# Altium PCB FMC_radio_holeRef.PcbDoc (part 1 of 2)
Units mm, origin at the board's own origin, x right, y up, seen from the top; angles counter-clockwise.
Board outline 139.31 x 69.3 mm, 4 copper layers (Top Layer, SIG, GND, Bottom Layer), stack 1.372 mm thick; 109 components, 95 nets, 451 pads, 661 vias.
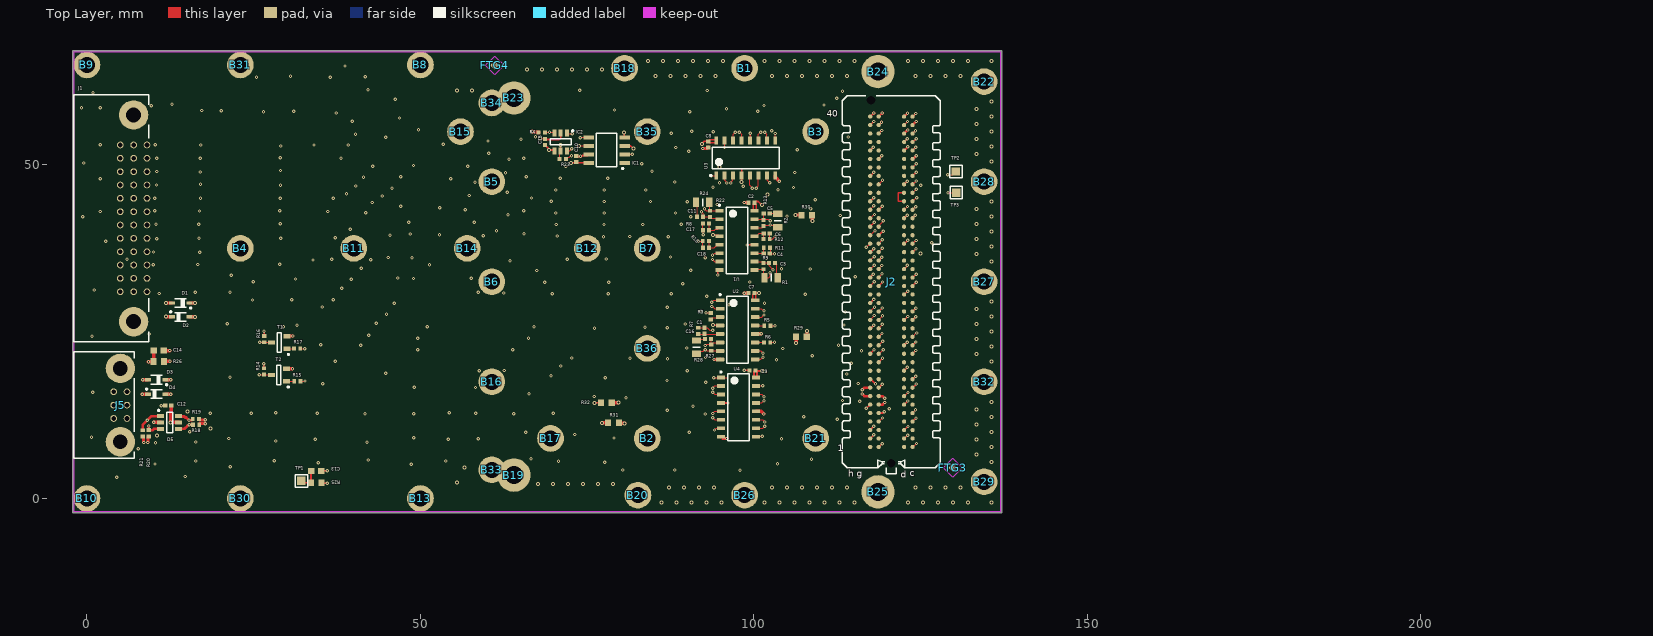
[diagram p0: Top Layer view]
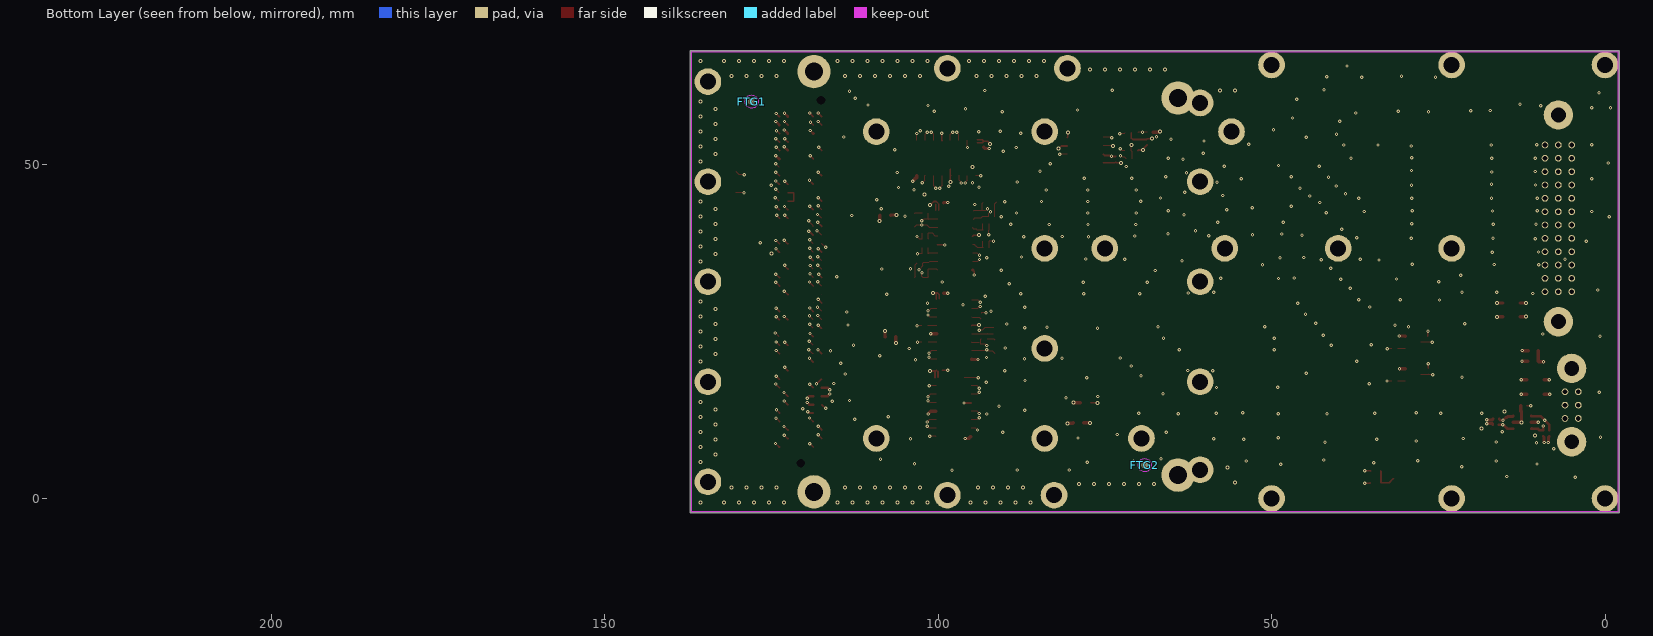
[diagram p1: Bottom Layer view, seen from below]
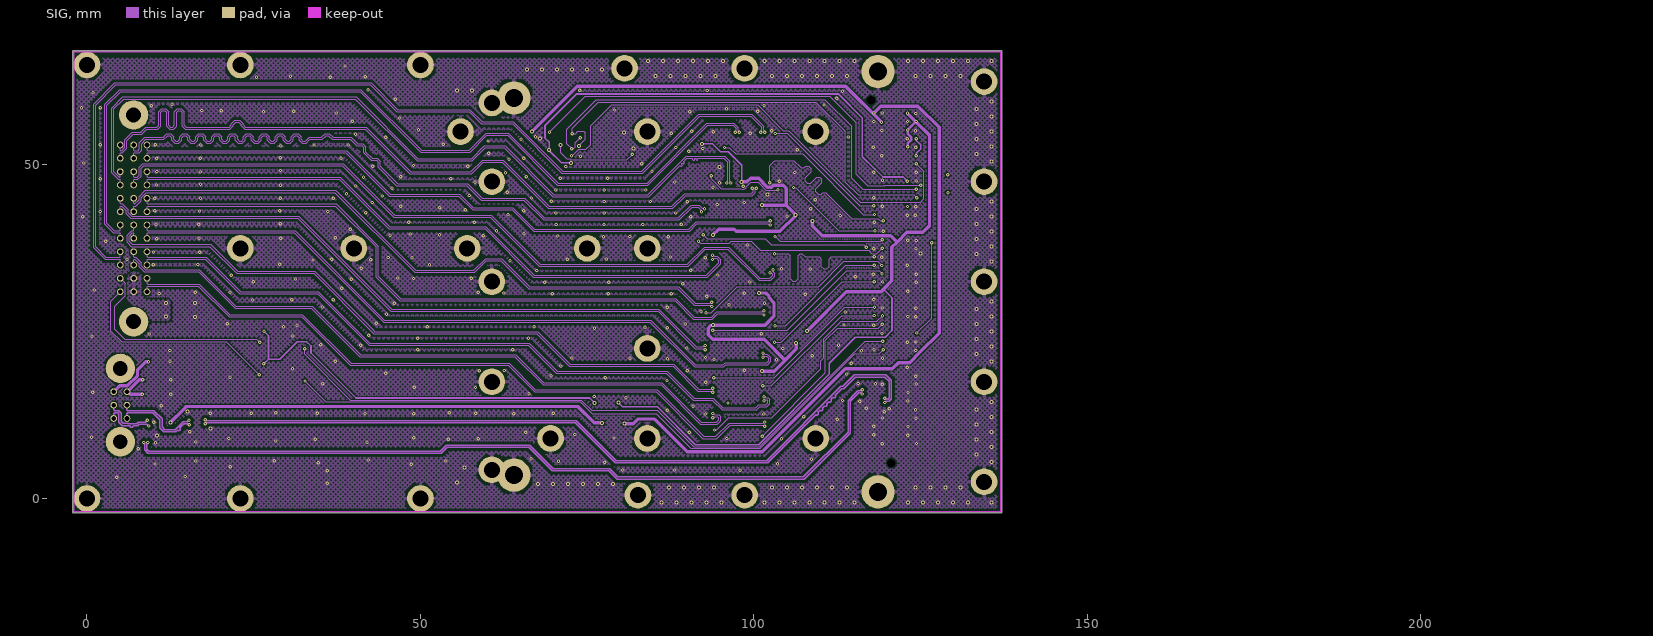
[diagram p2: SIG]
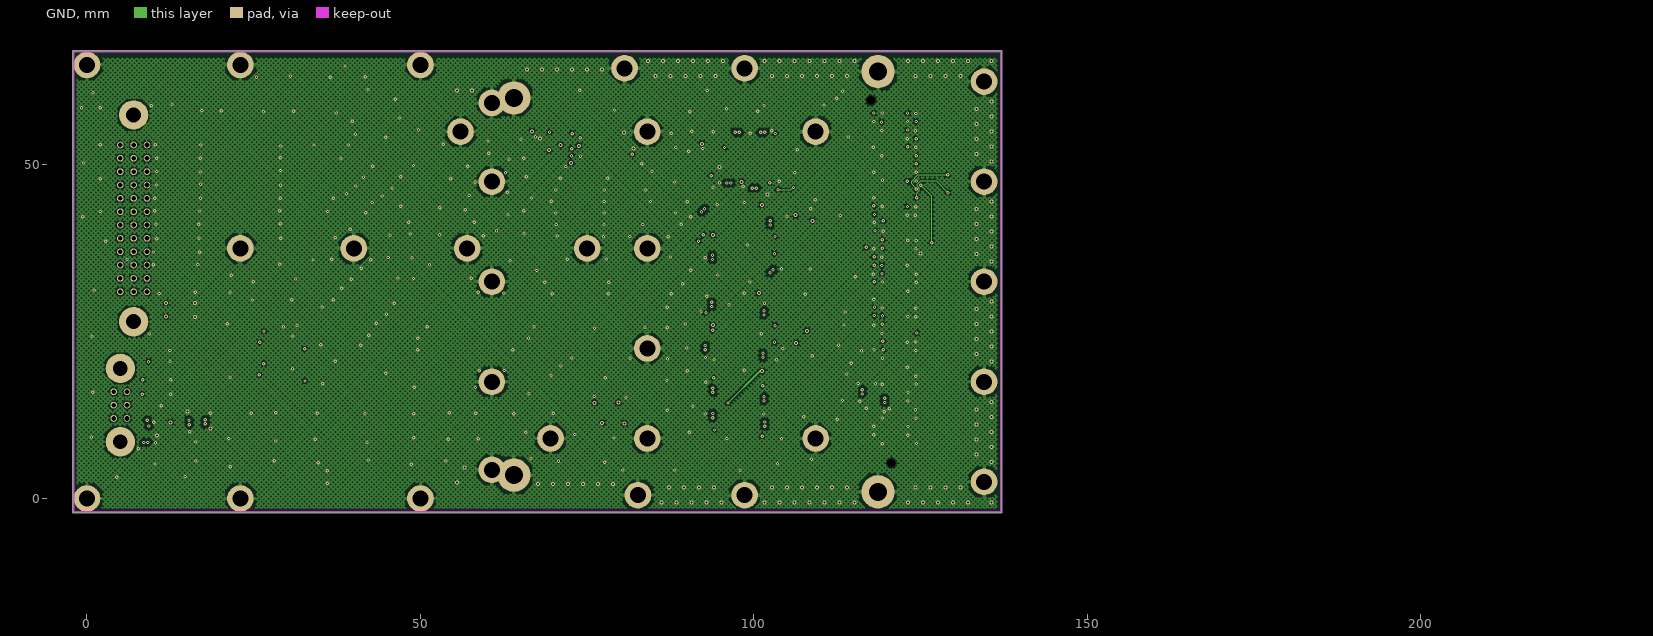
[diagram p3: GND]
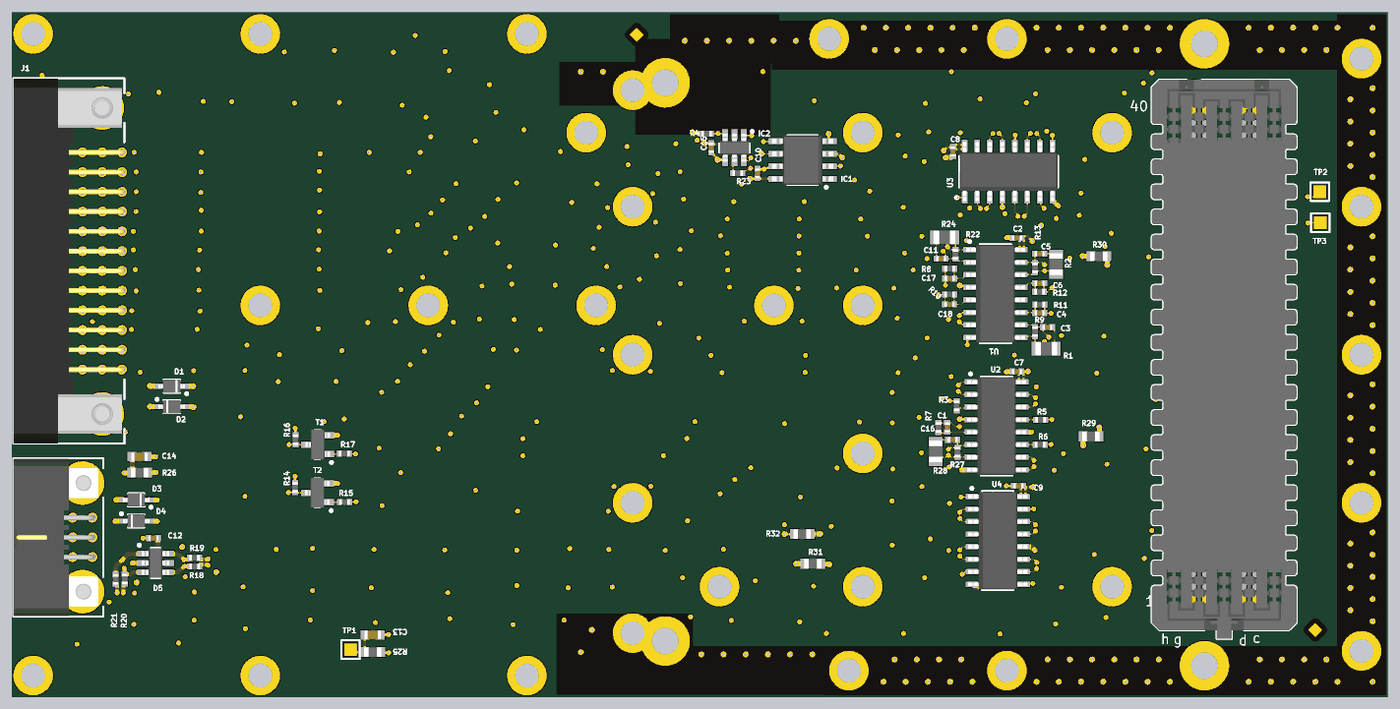
[diagram p5: 3D render of the assembled board from above, using the file's embedded part models]

## Layer stack, top to bottom
Top Layer: signal copper 0.053
Dielectric 2: prepreg 0.36, PP-017, Dk 4.3
SIG: signal copper 0.018
Dielectric 3: core 0.51, Core-039, Dk 4.8
GND: signal copper 0.018
Dielectric 4: prepreg 0.36, PP-017, Dk 4.3
Bottom Layer: signal copper 0.053

## Board outline
-2.007,-2.15 cw(c-2.007,-2) -2.157,-2 -2.157,67 cw(c-2.007,67) -2.007,67.15 137,67.15 cw(c137,67) 137.15,67 137.15,-2 cw(c137,-2) 137,-2.15 80.1,-2.15 cw(c80.1,-2) 80.099,-2.15 80.1,-2.15 ccw(c80.1,-2) 80.1,-2.15

## Design rules (kind name [scope] priority, off if disabled: settings)
AcuteAngle [All] p1: minimum=6.00000000000000E+0001 checktracksonly=TRUE
BoardOutlineClearance [All] p1: gap=0.254 ignorepadtopadclearanceinfootprint=FALSE except(0: Arc-SplitContinuation Track-SplitContinuation SMDPad-SplitContinuation THPad-SplitContinuation Via-SplitContinuation Fill-SplitContinuation Poly-SplitContinuation Region-SplitContinuation Text-SplitContinuation)
Clearance Clearance_1 [InNet('GND') vs (InDifferentialPairClass('All Differential Pairs'))] p1: gap=0.381 ignorepadtopadclearanceinfootprint=TRUE except(0: Arc-Hole Track-Hole SMDPad-Hole THPad-Hole Via-Hole Fill-Hole Poly-Hole Region-Hole Text-Hole; 0.127: Arc-THPad Track-THPad THPad-THPad THPad-Via THPad-Fill THPad-Poly THPad-Region THPad-Text)
Clearance [All] p2: gap=0.127 ignorepadtopadclearanceinfootprint=FALSE except(0: Arc-Hole Track-Hole SMDPad-Hole THPad-Hole Via-Hole Fill-Hole Poly-Hole Region-Hole Text-Hole)
ComponentClearance [All] p1: gap=0 collisioncheckmode=3 verticalgap=0 showdistances=FALSE
DiffPairsRouting DiffPairsRouting_100 [InNetClass('Diff_100')] p1: maxlimit=0.127 minlimit=0.127 mostfreqgap=0.127 toplayer_minwidth=0.224 toplayer_maxwidth=0.4 toplayer_prefwidth=0.4 midlayer1_minwidth=0.2 midlayer1_maxwidth=0.2 midlayer1_prefwidth=0.2 midlayer2_minwidth=0.2 midlayer2_maxwidth=0.2 midlayer2_prefwidth=0.2 bottomlayer_minwidth=0.224 bottomlayer_maxwidth=0.4 bottomlayer_prefwidth=0.4 impedanceprofiledriven=TRUE impedanceprofileid={14BC8198-C207-4630-8843-F024CF655775} maxuncoupledlength=12.7
DiffPairsRouting [InNetClass('Diff')] p2: maxlimit=0.178 minlimit=0.152 mostfreqgap=0.178 toplayer_prefgap=0.152 toplayer_minwidth=0.127 toplayer_maxwidth=0.127 toplayer_prefwidth=0.127 midlayer1_minwidth=0.127 midlayer1_maxwidth=0.127 midlayer1_prefwidth=0.127 midlayer2_minwidth=0.127 midlayer2_maxwidth=0.127 midlayer2_prefwidth=0.127 bottomlayer_prefgap=0.152 bottomlayer_minwidth=0.127 bottomlayer_maxwidth=0.127 bottomlayer_prefwidth=0.127 impedanceprofiledriven=TRUE impedanceprofileid={CD77EB87-C207-4B4C-A7F3-79326ECD8A85} maxuncoupledlength=12.7
HoleSize [All] p1: absolutevalues=TRUE maxlimit=5 minlimit=0.025 maxpercent=80.000 minpercent=20.000
HoleToHoleClearance [All] p1: gap=0.025 allowstackedmicrovias=TRUE
MinimumAnnularRing [All] p1: minimumring=0.15
MinimumSolderMaskSliver [All] p1: minsoldermaskwidth=0.025
PlaneConnect [All] p1: pad.planeconnectstyle=Relief pad.reliefexpansion=0.508 pad.reliefentries=4 pad.reliefconductorwidth=0.508 pad.reliefairgap=0.254 via.planeconnectstyle=Direct via.reliefexpansion=0.508 via.reliefentries=4 via.reliefconductorwidth=0.254 via.reliefairgap=0.254
PolygonConnect [All] p1: thpad.connectstyle=Relief thpad.reliefconductorwidth=0.508 thpad.reliefentries=4 thpad.polygonreliefangle="90 Angle" thpad.airgapwidth=0.254 smdpad.connectstyle=Relief smdpad.reliefconductorwidth=0.254 smdpad.reliefentries=4 smdpad.polygonreliefangle="90 Angle" smdpad.airgapwidth=0.254 via.connectstyle=Direct via.reliefconductorwidth=0.254 via.reliefentries=4 via.polygonreliefangle="90 Angle" via.airgapwidth=0.254
RoomDefinition U_fmc_connector [InComponentClass('U_fmc_connector')] p1: confinementstyle=ConfineIn formatcopy=TRUE lockcomponents=FALSE outline 10.601,-44.4 100.411,-44.4 100.411,51.168 10.601,51.168
RoomDefinition U_Con_M83_M80 [InComponentClass('U_Con_M83_M80')] p2: confinementstyle=ConfineIn formatcopy=TRUE lockcomponents=FALSE outline -14.8,-69.8 36,-69.8 36,-44.4 -14.8,-44.4
RoomDefinition FMC_radio_TOP [InComponentClass('FMC_radio_TOP')] p3: confinementstyle=ConfineIn formatcopy=TRUE lockcomponents=FALSE outline -14.8,-69.8 36,-69.8 36,-44.4 -14.8,-44.4
RoomDefinition U_ipmi [InComponentClass('U_ipmi')] p4: confinementstyle=ConfineIn formatcopy=TRUE lockcomponents=FALSE outline 101.938,-23.14 490.025,-23.14 490.025,-7.697 101.938,-7.697
RoomDefinition U_Buff [InComponentClass('U_Buff')] p5: confinementstyle=ConfineIn formatcopy=TRUE lockcomponents=FALSE outline 101.938,-42.978 202.141,-42.978 202.141,-29.516 101.938,-29.516
RoutingVias [All] p1: holewidth=0.2 width=0.5 viastyle="Through Hole" minholewidth=0.2 minwidth=0.5 maxholewidth=5 maxwidth=10
SilkToSilkClearance [All] p1: silktosilkclearance=0.025
SilkToSolderMaskClearance [IsPad] p1: minsilkscreentomaskgap=0.025 clearancetoexposedcopper=TRUE
SolderMaskExpansion [All] p1: expansion=0.102
Width [All] p1: maxlimit=2.54 minlimit=0.127 preferedwidth=0.127
22 further rules are at their usual default settings.

## Classes and differential pairs
net class Diff_100: EWC27_CLK_C_TX_N EWC27_CLK_C_TX_P EWC27_CLK_N EWC27_CLK_P EWC27_DATA_C_TX_N EWC27_DATA_C_TX_P EWC27_DATA_TX_N EWC27_DATA_TX_P
net class Diff: CON_M83.EWC27_CMD_RX_N CON_M83.EWC27_CMD_RX_P CON_M83.EWC27_CMD_TX_N CON_M83.EWC27_CMD_TX_P CON_M83.EWC27_FAULT_N CON_M83.EWC27_FAULT_P CON_M83.EWC27_OFF_VCC_N CON_M83.EWC27_OFF_VCC_P CON_M83.EWC27_RST_N CON_M83.EWC27_RST_P CON_M83.EWC31_CLK_RX_N CON_M83.EWC31_CLK_RX_P CON_M83.EWC31_CLK_TX_N CON_M83.EWC31_CLK_TX_P CON_M83.EWC31_CMD_RX_N CON_M83.EWC31_CMD_RX_P CON_M83.EWC31_CMD_TX_N CON_M83.EWC31_CMD_TX_P CON_M83.EWC31_DATA_RX_N CON_M83.EWC31_DATA_RX_P CON_M83.EWC31_DATA_TX_N CON_M83.EWC31_DATA_TX_P CON_M83.EWC31_DATA_VALID_N CON_M83.EWC31_DATA_VALID_P CON_M83.EWC31_FAULT_N CON_M83.EWC31_FAULT_P CON_M83.EWC31_LOCK_DETECT_N CON_M83.EWC31_LOCK_DETECT_P CON_M83.EWC31_OFF_VCC_N CON_M83.EWC31_OFF_VCC_P CON_M83.EWC31_RST_N CON_M83.EWC31_RST_P
component class U_fmc_connector: FTG1 FTG2 FTG3 FTG4 J2 R23
component class U_Con_M83_M80: C12 C14 D1 D2 D3 D4 D5 J1 J1A J1B J1C J5 R14 R15 R16 R17 R18 R19 R20 R21 R26 R31 R32 T1 T2
component class FMC_radio_TOP: B1 B2 B3 B4 B5 B6 B7 B8 B9 B10 B11 B12 B13 B14 B15 B16 B17 B18 B19 B20 B21 B22 B23 B24 B25 B26 B27 B28 B29 B30 B31 B32 B34 B35 B36 C13 R25 TP1
component class U_Buff: C1 C2 C3 C4 C5 C6 C7 C8 C9 C11 C16 C17 C18 R1 R2 R3 R5 R6 R7 R8 R9 R10 R11 R12 R13 R22 R24 R27 R28 R29 R30 U1 U2 U3 U4
component class U_ipmi: C10 C15 IC1 IC2 R4 TP2 TP3
differential pair EWC27_DATA_TX: +EWC27_DATA_TX_P -EWC27_DATA_TX_N
differential pair EWC27_CLK: +EWC27_CLK_P -EWC27_CLK_N
differential pair CON_M83.EWC27_CMD_RX: +CON_M83.EWC27_CMD_RX_P -CON_M83.EWC27_CMD_RX_N
differential pair CON_M83.EWC31_CLK_RX: +CON_M83.EWC31_CLK_RX_P -CON_M83.EWC31_CLK_RX_N
differential pair CON_M83.EWC31_DATA_RX: +CON_M83.EWC27_FAULT_P -CON_M83.EWC27_FAULT_N
differential pair EWC27_DATA_C_TX: +EWC27_DATA_C_TX_P -EWC27_DATA_C_TX_N
differential pair EWC27_CLK_C_TX: +EWC27_CLK_C_TX_P -EWC27_CLK_C_TX_N
differential pair CON_M83.EWC31_RST: +CON_M83.EWC31_RST_P -CON_M83.EWC31_RST_N
differential pair CON_M83.EWC31_OFF_VCC: +CON_M83.EWC31_OFF_VCC_P -CON_M83.EWC31_OFF_VCC_N
differential pair CON_M83.EWC31_LOCK_DETECT: +CON_M83.EWC31_LOCK_DETECT_P -CON_M83.EWC31_LOCK_DETECT_N
differential pair CON_M83.EWC31_FAULT: +CON_M83.EWC31_FAULT_P -CON_M83.EWC31_FAULT_N
differential pair CON_M83.EWC31_DATA_VALID: +CON_M83.EWC31_DATA_VALID_P -CON_M83.EWC31_DATA_VALID_N
differential pair CON_M83.EWC31_DATA_TX: +CON_M83.EWC31_DATA_TX_P -CON_M83.EWC31_DATA_TX_N
differential pair CON_M83.EWC31_CMD_TX: +CON_M83.EWC31_CMD_TX_P -CON_M83.EWC31_CMD_TX_N
differential pair CON_M83.EWC31_CMD_RX: +CON_M83.EWC31_CMD_RX_P -CON_M83.EWC31_CMD_RX_N
differential pair CON_M83.EWC31_CLK_TX: +CON_M83.EWC31_CLK_TX_P -CON_M83.EWC31_CLK_TX_N
differential pair CON_M83.EWC27_RST: +CON_M83.EWC27_RST_P -CON_M83.EWC27_RST_N
differential pair CON_M83.EWC27_OFF_VCC: +CON_M83.EWC27_OFF_VCC_P -CON_M83.EWC27_OFF_VCC_N
differential pair CON_M83.EWC27_FAULT: +CON_M83.EWC31_DATA_RX_P -CON_M83.EWC31_DATA_RX_N
differential pair CON_M83.EWC27_CMD_TX: +CON_M83.EWC27_CMD_TX_P -CON_M83.EWC27_CMD_TX_N

## Components (designator, comment, footprint, x,y, rotation, side; value= is the part's Value field where it differs from the comment)
B1 "Plated Hole" MTG240_400 98.6,64.5 r0 top
B2 "Plated Hole" MTG240_400 84,9 r0 top
B3 "Plated Hole" MTG240_400 109.25,55 r0 top
B4 "Plated Hole" MTG240_400 23,37.5 r0 top
B5 "Plated Hole" MTG240_400 60.7,47.5 r0 top
B6 "Plated Hole" MTG240_400 60.7,32.5 r0 top
B7 "Plated Hole" MTG240_400 84,37.5 r0 top
B8 "Plated Hole" MTG240_400 50,65 r0 top
B9 "Plated Hole" MTG240_400 0,65 r0 top
B10 "Plated Hole" MTG240_400 0,0 r0 top
B11 "Plated Hole" MTG240_400 40,37.5 r0 top
B12 "Plated Hole" MTG240_400 75,37.5 r0 top
B13 "Plated Hole" MTG240_400 50,0 r0 top
B14 "Plated Hole" MTG240_400 57,37.5 r0 top
B15 "Plated Hole" MTG240_400 56,55 r0 top
B16 "Plated Hole" MTG240_400 60.7,17.5 r0 top
B17 "Plated Hole" MTG240_400 69.5,9 r0 top
B18 "Plated Hole" MTG240_400 80.6,64.5 r0 top
B19 "Plated Hole" MTG270_500 64,3.5 r0 top
B20 "Plated Hole" MTG240_400 82.6,0.5 r0 top
B21 "Plated Hole" MTG240_400 109.25,9 r0 top
B22 "Plated Hole" MTG240_400 134.5,62.5 r0 top
B23 "Plated Hole" MTG270_500 64,60.05 r0 top
B24 "Plated Hole" MTG270_500 118.6,64 r0 top
B25 "Plated Hole" MTG270_500 118.6,1 r0 top
B26 "Plated Hole" MTG240_400 98.6,0.5 r0 top
B27 "Plated Hole" MTG240_400 134.5,32.5 r0 top
B28 "Plated Hole" MTG240_400 134.5,47.5 r0 top
B29 "Plated Hole" MTG240_400 134.5,2.5 r0 top
B30 "Plated Hole" MTG240_400 23,0 r0 top
B31 "Plated Hole" MTG240_400 23,65 r0 top
B32 "Plated Hole" MTG240_400 134.5,17.5 r0 top
B33 "Plated Hole" MTG240_400 60.7,4.3 r0 top
B34 "Plated Hole" MTG240_400 60.7,59.3 r0 top
B35 "Plated Hole" MTG240_400 84,55 r0 top
B36 "Plated Hole" MTG240_400 84,22.5 r0 top
C1 "100pF" CAPC1005X55N 92.562,25.146 r90 top
C2 "100nF" CAPC1005X55N 99.623,44.343 r0 top
C3 "100pF" CAPC1005X55N 102.703,35.289 r180 top
C4 "100pF" CAPC1005X55N 101.916,36.723 r0 top
C5 "100pF" CAPC1005X55N 101.916,42.729 r180 top
C6 "100pF" CAPC1005X55N 101.914,39.739 r0 top
C7 "100nF" CAPC1005X55N 99.608,30.797 r0 top
C8 "100nF" CAPC1005X55N 93.139,53.091 r90 top
C9 "100nF" CAPC1005X55N 99.768,19.214 r0 top
C10 "100nF" CAPC1005X55N 73.355,50.876 r270 top
C11 "100pF" CAPC1005X55N 91.933,42.23 r0 top
C12 "100nF" CAPC1005X55N 12.185,13.919 r0 top
C13 "10nF" CAPC1608X90N 34.389,4.125 r180 top
C14 "10nF" CAPC1608X90N 10.775,22.176 r180 top
C15 "100nF" CAPC1005X55N 68.656,53.467 r270 top
C16 "100pF" CAPC1005X55N 93.106,23.888 r0 top
C17 "100pF" CAPC1005X55N 92.804,40.218 r180 top
C18 "100pF" CAPC1005X55N 92.787,37.598 r180 top
D1 "BAT165" SOD2512X110N 14.046,29.312 r180 top
D2 "BAT165" SOD2512X110N 14.046,27.229 r0 top
D3 "BAT165" SOD2512X110N 10.439,17.805 r180 top
D4 "BAT165" SOD2512X110N 10.439,15.646 r0 top
D5 "QSBT40-7-F" SOT95P280X145-6N 12.395,11.405 r0 top
FTG1 "Use only in PCB" FIDUCIAL_TOP_C100-200 127.94,59.5 r90 bottom
FTG2 "Use only in PCB" FIDUCIAL_TOP_C100-200 69,5 r90 bottom
FTG3 "Use only in PCB" FIDUCIAL_TOP_S100-200 129.825,4.625 r90 top
FTG4 "Use only in PCB" FIDUCIAL_TOP_S100-200 61.112,64.922 r90 top
IC1 "FM24CL04B-G" SOIC127P600X175-8N 77.909,52.222 r180 top
IC2 "TMP101NA/250" SOT95P280X145-6N 71.018,53.467 r270 top
J1 "M83-LML3M5N36-0000-000" M83-LML3M5N36-0000-000 7,39 r270 top
J2 "VITA 57" SAMTEC_ASP-127797-01 120.6,32.491 r270 top
J5 "M80-5400642" M80-5400642 5,14 r270 top
R1 "120" RESC2012X60N 102.569,33.117 r0 top
R2 "120" RESC2012X60N 103.569,41.676 r270 top
R3 "10k" RESC1005X40N 93.52,27.33 r90 top
R4 "10k" RESC1005X40N 68.174,54.889 r180 top
R5 "10k" RESC1005X40N 102.003,25.907 r0 top
R6 "10k" RESC1005X40N 101.965,23.387 r0 top
R7 "10k" RESC1005X40N 91.654,25.131 r90 top
R8 "10k" RESC1005X40N 92.807,41.219 r180 top
R9 "10k" RESC1005X40N 101.452,34.844 r90 top
R10 "10k" RESC1005X40N 92.789,38.603 r180 top
R11 "10k" RESC1005X40N 101.934,37.587 r0 top
R12 "10k" RESC1005X40N 101.896,38.882 r0 top
R13 "10k" RESC1005X40N 101.452,41.308 r90 top
R14 "10k" RESC1005X40N 26.519,19.062 r90 top
R15 "10k" RESC1005X40N 31.536,17.576 r0 top
R16 "10k" RESC1005X40N 26.57,23.884 r90 top
R17 "10k" RESC1005X40N 31.51,22.485 r0 top
R18 "22" RESC1005X40N 16.358,11.049 r0 top
R19 "22" RESC1005X40N 16.332,11.938 r0 top
R20 "22" RESC1005X40N 9.271,9.779 r270 top
R21 "22" RESC1005X40N 8.357,9.754 r270 top
R22 "10k" RESC1005X40N 93.388,42.674 r270 top
R23 "10k" RESC1005X40N 71.336,50.902 r0 top
R24 "120" RESC2012X60N 92.296,44.389 r180 top
R25 "1M" RESC1608X55N 34.389,2.373 r180 top
R26 "1M" RESC1608X55N 10.77,20.549 r180 top
R27 "10k" RESC1005X40N 93.596,22.62 r90 top
R28 "120" RESC2012X60N 91.386,22.694 r90 top
R29 "0" RESC1608X55N 107.112,24.232 r0 top
R30 "0" RESC1608X55N 107.899,42.469 r0 top
R31 "0" RESC1608X55N 78.943,11.33 r0 top
R32 "0" RESC1608X55N 77.876,14.331 r0 top
T1 "BSR17A" SOT95P240X110-3N 28.805,23.393 r180 top
T2 "BSR17A" SOT95P240X110-3N 28.78,18.516 r180 top
TP1 "Test Point" TPS127 32.141,2.627 r90 top
TP2 "Test Point" TPS127 130.277,49.022 r90 top
TP3 "Test Point" TPS127 130.327,45.872 r270 top
U1 "AM26LV32EIDR" D0016A_L 97.444,38.694 r0 top
U2 "AM26LV32EIDR" D0016A_L 97.548,25.292 r0 top
U3 "AM26LV31EIDR" D0016A_L 98.765,51.046 r90 top
U4 "AM26LV31EIDR" D0016A_L 97.673,13.692 r0 top
